# Altium PCB STB_LightBoard.PcbDoc (part 23 of 31) (continued)
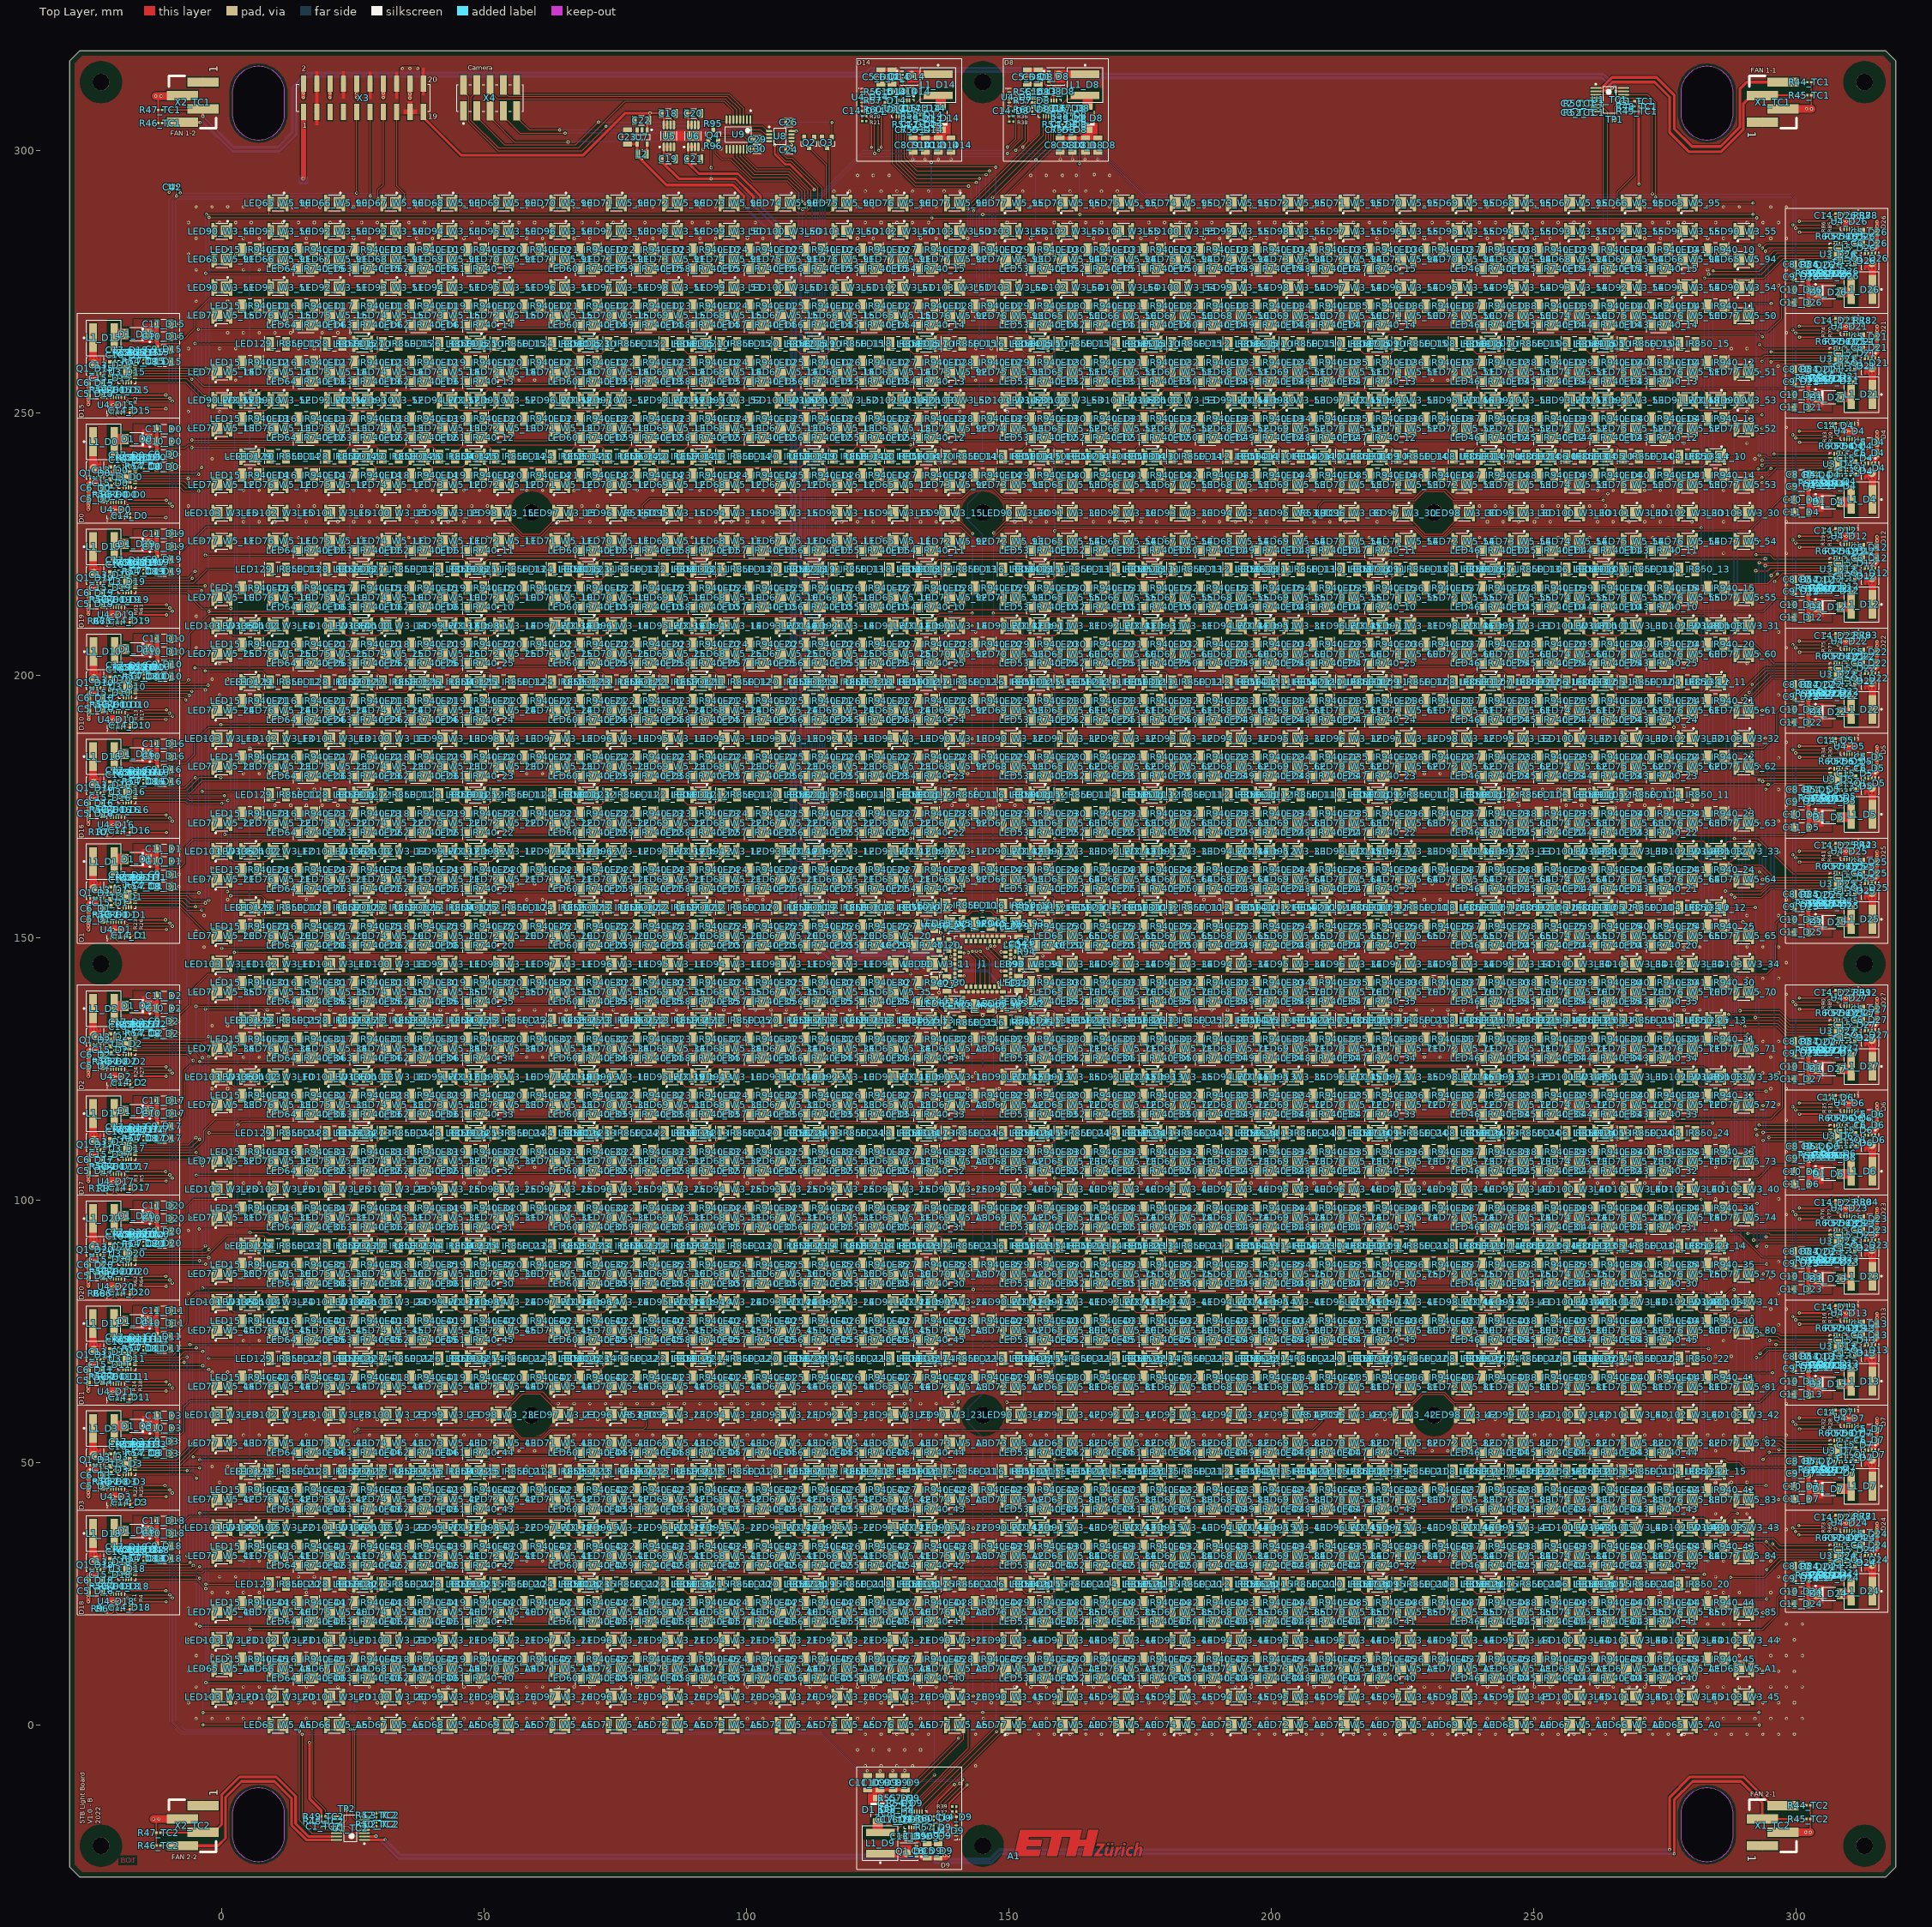
[diagram p0: Top Layer view]
## Nets (pads, with @x,y where several pads share a name; then routed paths per layer and width w, separated by ;. In a path a pad name is that pad's centre, name@x,y a point inside that pad or via, vN(x,y) a via of type N, cw(c..) or ccw(c..) an arc to the next point about the centre after c; other vN are vias at no path point) (continued)
NetLED69_W5_75_1: LED69_W5_75.1 LED70_W5_75.2 | length 9
  Top Layer w0.2: LED69_W5_75.1@204.714,85.92 LED69_W5_75.1@205.779,85.92 LED70_W5_75.2@213.12,85.92 LED70_W5_75.2@213.71,85.92
NetLED69_W5_80_1: LED69_W5_80.1 LED70_W5_80.2 | length 9
  Top Layer w0.2: LED69_W5_80.1@204.714,75.18 LED69_W5_80.1@205.779,75.18 LED70_W5_80.2@213.12,75.18 LED70_W5_80.2@213.71,75.18
NetLED69_W5_81_1: LED69_W5_81.1 LED70_W5_81.2 | length 9
  Top Layer w0.2: LED69_W5_81.1@204.714,64.44 LED69_W5_81.1@205.779,64.44 LED70_W5_81.2@213.12,64.44 LED70_W5_81.2@213.71,64.44
NetLED69_W5_82_1: LED69_W5_82.1 LED70_W5_82.2 | length 9
  Top Layer w0.2: LED69_W5_82.1@204.714,53.7 LED69_W5_82.1@205.779,53.7 LED70_W5_82.2@213.12,53.7 LED70_W5_82.2@213.71,53.7
NetLED69_W5_83_1: LED69_W5_83.1 LED70_W5_83.2 | length 9
  Top Layer w0.2: LED69_W5_83.1@204.714,42.96 LED69_W5_83.1@205.779,42.96 LED70_W5_83.2@213.12,42.96 LED70_W5_83.2@213.71,42.96
NetLED69_W5_84_1: LED69_W5_84.1 LED70_W5_84.2 | length 9
  Top Layer w0.2: LED69_W5_84.1@204.714,32.22 LED69_W5_84.1@205.779,32.22 LED70_W5_84.2@213.12,32.22 LED70_W5_84.2@213.71,32.22
NetLED69_W5_85_1: LED69_W5_85.1 LED70_W5_85.2 | length 9
  Top Layer w0.2: LED69_W5_85.1@204.714,21.48 LED69_W5_85.1@205.779,21.48 LED70_W5_85.2@213.12,21.48 LED70_W5_85.2@213.71,21.48
NetLED69_W5_90_1: LED69_W5_90.1 LED70_W5_90.2 | length 9
  Top Layer w0.2: LED69_W5_90.1@54.365,289.98 54.955,289.98 62.296,289.98 LED70_W5_90.2@63.361,289.98
NetLED69_W5_91_1: LED69_W5_91.1 LED70_W5_91.2 | length 9
  Top Layer w0.2: LED69_W5_91.1@43.599,279.24 LED69_W5_91.1@44.664,279.24 LED70_W5_91.2@52.005,279.24 LED70_W5_91.2@52.595,279.24
NetLED69_W5_92_1: LED69_W5_92.1 LED70_W5_92.2 | length 15.2
  Top Layer w0.2: v1(137.319,193.32) LED69_W5_92.1@137.933,193.32 LED69_W5_92.1@138.523,193.32 ; LED70_W5_92.2@140.743,204.06 LED70_W5_92.2@141.333,204.06 v1(142.019,204.06)
  Bottom Layer w0.2: v1(137.319,193.32) 137.319,199.36 v1(142.019,204.06)
NetLED69_W5_93_1: LED69_W5_93.1 LED70_W5_93.2 | length 15.6
  Top Layer w0.2: v1(148.06,204.06) LED70_W5_93.2@148.674,204.06 LED70_W5_93.2@149.264,204.06 ; LED69_W5_93.1@151.009,193.32 LED69_W5_93.1@152.074,193.32 v1(152.76,193.32)
  Bottom Layer w0.2: v1(148.06,204.06) 152.76,199.36 v1(152.76,193.32)
NetLED69_W5_94_1: LED69_W5_94.1 LED70_W5_94.2 | length 7.9
  Top Layer w0.2: LED70_W5_94.2@238.002,279.24 LED69_W5_94.1@245.343,279.24 LED69_W5_94.1@245.933,279.24
NetLED69_W5_95_1: LED69_W5_95.1 LED70_W5_95.2 | length 9
  Top Layer w0.2: LED70_W5_95.2@226.646,289.98 227.711,289.98 235.052,289.98 LED69_W5_95.1@235.642,289.98
NetLED69_W5_A0_1: LED69_W5_A0.1 LED70_W5_A0.2 | length 9
  Top Layer w0.2: LED70_W5_A0.2@226.646,0 227.711,0 235.052,0 LED69_W5_A0.1@235.642,0
NetLED69_W5_A1_1: LED69_W5_A1.1 LED70_W5_A1.2 | length 9
  Top Layer w0.2: LED70_W5_A1.2@237.387,10.74 238.452,10.74 245.793,10.74 LED69_W5_A1.1@246.383,10.74
NetLED69_W5_A2_1: LED69_W5_A2.1 LED70_W5_A2.2 | length 15.6
  Top Layer w0.2: v1(148.06,85.92) LED70_W5_A2.2@148.674,85.92 LED70_W5_A2.2@149.264,85.92 ; LED69_W5_A2.1@151.009,96.66 LED69_W5_A2.1@152.074,96.66 v1(152.76,96.66)
  Bottom Layer w0.2: v1(148.06,85.92) 152.76,90.62 v1(152.76,96.66)
NetLED69_W5_A3_1: LED69_W5_A3.1 LED70_W5_A3.2 | length 15.2
  Top Layer w0.2: v1(137.319,96.66) LED69_W5_A3.1@137.933,96.66 LED69_W5_A3.1@138.523,96.66 ; LED70_W5_A3.2@140.743,85.92 LED70_W5_A3.2@141.333,85.92 v1(142.019,85.92)
  Bottom Layer w0.2: v1(137.319,96.66) 137.319,90.62 v1(142.019,85.92)
NetLED69_W5_A4_1: LED69_W5_A4.1 LED70_W5_A4.2 | length 9
  Top Layer w0.2: LED69_W5_A4.1@43.624,10.74 44.214,10.74 51.555,10.74 LED70_W5_A4.2@52.62,10.74
NetLED69_W5_A5_1: LED69_W5_A5.1 LED70_W5_A5.2 | length 9
  Top Layer w0.2: LED69_W5_A5.1@54.34,0 LED69_W5_A5.1@55.405,0 LED70_W5_A5.2@62.746,0 LED70_W5_A5.2@63.336,0
NetLED70_W5_10_1: LED70_W5_10.1 LED71_W5_10.2 | length 8.4
  Top Layer w0.2: LED71_W5_10.2@66.146,214.825 LED70_W5_10.1@73.487,214.825 LED70_W5_10.1@74.552,214.825
NetLED70_W5_11_1: LED70_W5_11.1 LED71_W5_11.2 | length 8.4
  Top Layer w0.2: LED71_W5_11.2@66.146,225.565 LED70_W5_11.1@73.487,225.565 LED70_W5_11.1@74.552,225.565
NetLED70_W5_12_1: LED70_W5_12.1 LED71_W5_12.2 | length 8.4
  Top Layer w0.2: LED71_W5_12.2@66.146,236.305 LED70_W5_12.1@73.487,236.305 LED70_W5_12.1@74.552,236.305
NetLED70_W5_13_1: LED70_W5_13.1 LED71_W5_13.2 | length 8.4
  Top Layer w0.2: LED71_W5_13.2@66.146,247.045 LED70_W5_13.1@73.487,247.045 LED70_W5_13.1@74.552,247.045
NetLED70_W5_14_1: LED70_W5_14.1 LED71_W5_14.2 | length 8.4
  Top Layer w0.2: LED71_W5_14.2@66.146,257.785 LED70_W5_14.1@73.487,257.785 LED70_W5_14.1@74.552,257.785
NetLED70_W5_15_1: LED70_W5_15.1 LED71_W5_15.2 | length 8.4
  Top Layer w0.2: LED71_W5_15.2@66.146,268.525 LED70_W5_15.1@73.487,268.525 LED70_W5_15.1@74.552,268.525
NetLED70_W5_20_1: LED70_W5_20.1 LED71_W5_20.2 | length 8.4
  Top Layer w0.2: LED71_W5_20.2@66.146,150.385 LED70_W5_20.1@73.487,150.385 LED70_W5_20.1@74.552,150.385
NetLED70_W5_21_1: LED70_W5_21.1 LED71_W5_21.2 | length 8.4
  Top Layer w0.2: LED71_W5_21.2@66.146,161.125 LED70_W5_21.1@73.487,161.125 LED70_W5_21.1@74.552,161.125
NetLED70_W5_22_1: LED70_W5_22.1 LED71_W5_22.2 | length 8.4
  Top Layer w0.2: LED71_W5_22.2@66.146,171.865 LED70_W5_22.1@73.487,171.865 LED70_W5_22.1@74.552,171.865
NetLED70_W5_23_1: LED70_W5_23.1 LED71_W5_23.2 | length 8.4
  Top Layer w0.2: LED71_W5_23.2@66.146,182.605 LED70_W5_23.1@73.487,182.605 LED70_W5_23.1@74.552,182.605
NetLED70_W5_24_1: LED70_W5_24.1 LED71_W5_24.2 | length 8.4
  Top Layer w0.2: LED71_W5_24.2@66.146,193.345 LED70_W5_24.1@73.487,193.345 LED70_W5_24.1@74.552,193.345
NetLED70_W5_25_1: LED70_W5_25.1 LED71_W5_25.2 | length 8.4
  Top Layer w0.2: LED71_W5_25.2@66.146,204.085 LED70_W5_25.1@73.487,204.085 LED70_W5_25.1@74.552,204.085
NetLED70_W5_30_1: LED70_W5_30.1 LED71_W5_30.2 | length 8.4
  Top Layer w0.2: LED71_W5_30.2@66.146,85.945 LED70_W5_30.1@73.487,85.945 LED70_W5_30.1@74.552,85.945
NetLED70_W5_31_1: LED70_W5_31.1 LED71_W5_31.2 | length 8.4
  Top Layer w0.2: LED71_W5_31.2@66.146,96.685 LED70_W5_31.1@73.487,96.685 LED70_W5_31.1@74.552,96.685
NetLED70_W5_32_1: LED70_W5_32.1 LED71_W5_32.2 | length 8.4
  Top Layer w0.2: LED71_W5_32.2@66.146,107.425 LED70_W5_32.1@73.487,107.425 LED70_W5_32.1@74.552,107.425
NetLED70_W5_33_1: LED70_W5_33.1 LED71_W5_33.2 | length 8.4
  Top Layer w0.2: LED71_W5_33.2@66.146,118.165 LED70_W5_33.1@73.487,118.165 LED70_W5_33.1@74.552,118.165
NetLED70_W5_34_1: LED70_W5_34.1 LED71_W5_34.2 | length 8.4
  Top Layer w0.2: LED71_W5_34.2@66.146,128.905 LED70_W5_34.1@73.487,128.905 LED70_W5_34.1@74.552,128.905
NetLED70_W5_35_1: LED70_W5_35.1 LED71_W5_35.2 | length 8.4
  Top Layer w0.2: LED71_W5_35.2@66.146,139.645 LED70_W5_35.1@73.487,139.645 LED70_W5_35.1@74.552,139.645
NetLED70_W5_40_1: LED70_W5_40.1 LED71_W5_40.2 | length 8.4
  Top Layer w0.2: LED71_W5_40.2@66.146,21.505 LED70_W5_40.1@73.487,21.505 LED70_W5_40.1@74.552,21.505
NetLED70_W5_41_1: LED70_W5_41.1 LED71_W5_41.2 | length 8.4
  Top Layer w0.2: LED71_W5_41.2@66.146,32.245 LED70_W5_41.1@73.487,32.245 LED70_W5_41.1@74.552,32.245
NetLED70_W5_42_1: LED70_W5_42.1 LED71_W5_42.2 | length 8.4
  Top Layer w0.2: LED71_W5_42.2@66.146,42.985 LED70_W5_42.1@73.487,42.985 LED70_W5_42.1@74.552,42.985
NetLED70_W5_43_1: LED70_W5_43.1 LED71_W5_43.2 | length 8.4
  Top Layer w0.2: LED71_W5_43.2@66.146,53.725 LED70_W5_43.1@73.487,53.725 LED70_W5_43.1@74.552,53.725
NetLED70_W5_44_1: LED70_W5_44.1 LED71_W5_44.2 | length 8.4
  Top Layer w0.2: LED71_W5_44.2@66.146,64.465 LED70_W5_44.1@73.487,64.465 LED70_W5_44.1@74.552,64.465
NetLED70_W5_45_1: LED70_W5_45.1 LED71_W5_45.2 | length 8.4
  Top Layer w0.2: LED71_W5_45.2@66.146,75.205 LED70_W5_45.1@73.487,75.205 LED70_W5_45.1@74.552,75.205
NetLED70_W5_50_1: LED70_W5_50.1 LED71_W5_50.2 | length 9
  Top Layer w0.2: LED70_W5_50.1@215.455,268.5 LED70_W5_50.1@216.52,268.5 LED71_W5_50.2@223.861,268.5 LED71_W5_50.2@224.451,268.5
NetLED70_W5_51_1: LED70_W5_51.1 LED71_W5_51.2 | length 9
  Top Layer w0.2: LED70_W5_51.1@215.455,257.76 LED70_W5_51.1@216.52,257.76 LED71_W5_51.2@223.861,257.76 LED71_W5_51.2@224.451,257.76
NetLED70_W5_52_1: LED70_W5_52.1 LED71_W5_52.2 | length 9
  Top Layer w0.2: LED70_W5_52.1@215.455,247.02 LED70_W5_52.1@216.52,247.02 LED71_W5_52.2@223.861,247.02 LED71_W5_52.2@224.451,247.02
NetLED70_W5_53_1: LED70_W5_53.1 LED71_W5_53.2 | length 9
  Top Layer w0.2: LED70_W5_53.1@215.455,236.28 LED70_W5_53.1@216.52,236.28 LED71_W5_53.2@223.861,236.28 LED71_W5_53.2@224.451,236.28
NetLED70_W5_54_1: LED70_W5_54.1 LED71_W5_54.2 | length 9
  Top Layer w0.2: LED70_W5_54.1@215.455,225.54 LED70_W5_54.1@216.52,225.54 LED71_W5_54.2@223.861,225.54 LED71_W5_54.2@224.451,225.54
NetLED70_W5_55_1: LED70_W5_55.1 LED71_W5_55.2 | length 9
  Top Layer w0.2: LED70_W5_55.1@215.455,214.8 LED70_W5_55.1@216.52,214.8 LED71_W5_55.2@223.861,214.8 LED71_W5_55.2@224.451,214.8
NetLED70_W5_60_1: LED70_W5_60.1 LED71_W5_60.2 | length 9
  Top Layer w0.2: LED70_W5_60.1@215.455,204.06 LED70_W5_60.1@216.52,204.06 LED71_W5_60.2@223.861,204.06 LED71_W5_60.2@224.451,204.06
NetLED70_W5_61_1: LED70_W5_61.1 LED71_W5_61.2 | length 9
  Top Layer w0.2: LED70_W5_61.1@215.455,193.32 LED70_W5_61.1@216.52,193.32 LED71_W5_61.2@223.861,193.32 LED71_W5_61.2@224.451,193.32
NetLED70_W5_62_1: LED70_W5_62.1 LED71_W5_62.2 | length 9
  Top Layer w0.2: LED70_W5_62.1@215.455,182.58 LED70_W5_62.1@216.52,182.58 LED71_W5_62.2@223.861,182.58 LED71_W5_62.2@224.451,182.58
NetLED70_W5_63_1: LED70_W5_63.1 LED71_W5_63.2 | length 9
  Top Layer w0.2: LED70_W5_63.1@215.455,171.84 LED70_W5_63.1@216.52,171.84 LED71_W5_63.2@223.861,171.84 LED71_W5_63.2@224.451,171.84
NetLED70_W5_64_1: LED70_W5_64.1 LED71_W5_64.2 | length 9
  Top Layer w0.2: LED70_W5_64.1@215.455,161.1 LED70_W5_64.1@216.52,161.1 LED71_W5_64.2@223.861,161.1 LED71_W5_64.2@224.451,161.1
NetLED70_W5_65_1: LED70_W5_65.1 LED71_W5_65.2 | length 9
  Top Layer w0.2: LED70_W5_65.1@215.455,150.36 LED70_W5_65.1@216.52,150.36 LED71_W5_65.2@223.861,150.36 LED71_W5_65.2@224.451,150.36
NetLED70_W5_70_1: LED70_W5_70.1 LED71_W5_70.2 | length 9
  Top Layer w0.2: LED70_W5_70.1@215.455,139.62 LED70_W5_70.1@216.52,139.62 LED71_W5_70.2@223.861,139.62 LED71_W5_70.2@224.451,139.62
NetLED70_W5_71_1: LED70_W5_71.1 LED71_W5_71.2 | length 9
  Top Layer w0.2: LED70_W5_71.1@215.455,128.88 LED70_W5_71.1@216.52,128.88 LED71_W5_71.2@223.861,128.88 LED71_W5_71.2@224.451,128.88
NetLED70_W5_72_1: LED70_W5_72.1 LED71_W5_72.2 | length 9
  Top Layer w0.2: LED70_W5_72.1@215.455,118.14 LED70_W5_72.1@216.52,118.14 LED71_W5_72.2@223.861,118.14 LED71_W5_72.2@224.451,118.14
NetLED70_W5_73_1: LED70_W5_73.1 LED71_W5_73.2 | length 9
  Top Layer w0.2: LED70_W5_73.1@215.455,107.4 LED70_W5_73.1@216.52,107.4 LED71_W5_73.2@223.861,107.4 LED71_W5_73.2@224.451,107.4
NetLED70_W5_74_1: LED70_W5_74.1 LED71_W5_74.2 | length 9
  Top Layer w0.2: LED70_W5_74.1@215.455,96.66 LED70_W5_74.1@216.52,96.66 LED71_W5_74.2@223.861,96.66 LED71_W5_74.2@224.451,96.66
NetLED70_W5_75_1: LED70_W5_75.1 LED71_W5_75.2 | length 9
  Top Layer w0.2: LED70_W5_75.1@215.455,85.92 LED70_W5_75.1@216.52,85.92 LED71_W5_75.2@223.861,85.92 LED71_W5_75.2@224.451,85.92
NetLED70_W5_80_1: LED70_W5_80.1 LED71_W5_80.2 | length 9
  Top Layer w0.2: LED70_W5_80.1@215.455,75.18 LED70_W5_80.1@216.52,75.18 LED71_W5_80.2@223.861,75.18 LED71_W5_80.2@224.451,75.18
NetLED70_W5_81_1: LED70_W5_81.1 LED71_W5_81.2 | length 9
  Top Layer w0.2: LED70_W5_81.1@215.455,64.44 LED70_W5_81.1@216.52,64.44 LED71_W5_81.2@223.861,64.44 LED71_W5_81.2@224.451,64.44
NetLED70_W5_82_1: LED70_W5_82.1 LED71_W5_82.2 | length 9
  Top Layer w0.2: LED70_W5_82.1@215.455,53.7 LED70_W5_82.1@216.52,53.7 LED71_W5_82.2@223.861,53.7 LED71_W5_82.2@224.451,53.7
NetLED70_W5_83_1: LED70_W5_83.1 LED71_W5_83.2 | length 9
  Top Layer w0.2: LED70_W5_83.1@215.455,42.96 LED70_W5_83.1@216.52,42.96 LED71_W5_83.2@223.861,42.96 LED71_W5_83.2@224.451,42.96
NetLED70_W5_84_1: LED70_W5_84.1 LED71_W5_84.2 | length 9
  Top Layer w0.2: LED70_W5_84.1@215.455,32.22 LED70_W5_84.1@216.52,32.22 LED71_W5_84.2@223.861,32.22 LED71_W5_84.2@224.451,32.22
NetLED70_W5_85_1: LED70_W5_85.1 LED71_W5_85.2 | length 9
  Top Layer w0.2: LED70_W5_85.1@215.455,21.48 LED70_W5_85.1@216.52,21.48 LED71_W5_85.2@223.861,21.48 LED71_W5_85.2@224.451,21.48
NetLED70_W5_90_1: LED70_W5_90.1 LED71_W5_90.2 | length 9
  Top Layer w0.2: LED70_W5_90.1@65.106,289.98 65.696,289.98 73.037,289.98 LED71_W5_90.2@74.102,289.98
NetLED70_W5_91_1: LED70_W5_91.1 LED71_W5_91.2 | length 9
  Top Layer w0.2: LED70_W5_91.1@54.34,279.24 LED70_W5_91.1@55.405,279.24 LED71_W5_91.2@62.746,279.24 LED71_W5_91.2@63.336,279.24
NetLED70_W5_92_1: LED70_W5_92.1 LED71_W5_92.2 | length 15.2
  Top Layer w0.2: v1(137.319,204.06) LED70_W5_92.1@137.933,204.06 LED70_W5_92.1@138.523,204.06 ; LED71_W5_92.2@140.743,214.8 LED71_W5_92.2@141.333,214.8 v1(142.019,214.8)
  Bottom Layer w0.2: v1(137.319,204.06) 137.319,210.1 v1(142.019,214.8)
NetLED70_W5_93_1: LED70_W5_93.1 LED71_W5_93.2 | length 15.6
  Top Layer w0.2: v1(148.1,214.8) LED71_W5_93.2@148.674,214.8 LED71_W5_93.2@149.264,214.8 ; LED70_W5_93.1@151.009,204.06 LED70_W5_93.1@152.074,204.06 v1(152.76,204.06)
  Bottom Layer w0.2: v1(148.1,214.8) 152.76,210.14 v1(152.76,204.06)
NetLED70_W5_94_1: LED70_W5_94.1 LED71_W5_94.2 | length 7.9
  Top Layer w0.2: LED71_W5_94.2@227.261,279.24 LED70_W5_94.1@234.602,279.24 LED70_W5_94.1@235.192,279.24
NetLED70_W5_95_1: LED70_W5_95.1 LED71_W5_95.2 | length 9
  Top Layer w0.2: LED71_W5_95.2@215.905,289.98 216.97,289.98 224.311,289.98 LED70_W5_95.1@224.901,289.98
NetLED70_W5_A0_1: LED70_W5_A0.1 LED71_W5_A0.2 | length 9
  Top Layer w0.2: LED71_W5_A0.2@215.905,0 216.97,0 224.311,0 LED70_W5_A0.1@224.901,0
NetLED70_W5_A1_1: LED70_W5_A1.1 LED71_W5_A1.2 | length 9
  Top Layer w0.2: LED71_W5_A1.2@226.646,10.74 227.711,10.74 235.052,10.74 LED70_W5_A1.1@235.642,10.74
NetLED70_W5_A2_1: LED70_W5_A2.1 LED71_W5_A2.2 | length 15.6
  Top Layer w0.2: v1(148.06,75.18) LED71_W5_A2.2@148.674,75.18 LED71_W5_A2.2@149.264,75.18 ; LED70_W5_A2.1@151.009,85.92 LED70_W5_A2.1@152.074,85.92 v1(152.76,85.92)
  Bottom Layer w0.2: v1(148.06,75.18) 152.76,79.88 v1(152.76,85.92)
NetLED70_W5_A3_1: LED70_W5_A3.1 LED71_W5_A3.2 | length 15.6
  Top Layer w0.2: v1(137.319,85.92) LED70_W5_A3.1@137.933,85.92 LED70_W5_A3.1@138.998,85.92 ; LED71_W5_A3.2@140.743,75.18 LED71_W5_A3.2@141.333,75.18 v1(142.019,75.18)
  Bottom Layer w0.2: v1(137.319,85.92) 137.319,79.88 v1(142.019,75.18)
NetLED70_W5_A4_1: LED70_W5_A4.1 LED71_W5_A4.2 | length 9
  Top Layer w0.2: LED70_W5_A4.1@54.365,10.74 54.955,10.74 62.296,10.74 LED71_W5_A4.2@63.361,10.74
NetLED70_W5_A5_1: LED70_W5_A5.1 LED71_W5_A5.2 | length 8.4
  Top Layer w0.2: LED70_W5_A5.1@65.081,0 LED70_W5_A5.1@66.146,0 LED71_W5_A5.2@73.487,0
NetLED71_W5_10_1: LED71_W5_10.1 LED72_W5_10.2 | length 8.4
  Top Layer w0.2: LED72_W5_10.2@55.405,214.825 LED71_W5_10.1@62.746,214.825 LED71_W5_10.1@63.811,214.825
NetLED71_W5_11_1: LED71_W5_11.1 LED72_W5_11.2 | length 8.4
  Top Layer w0.2: LED72_W5_11.2@55.405,225.565 LED71_W5_11.1@62.746,225.565 LED71_W5_11.1@63.811,225.565
NetLED71_W5_12_1: LED71_W5_12.1 LED72_W5_12.2 | length 8.4
  Top Layer w0.2: LED72_W5_12.2@55.405,236.305 LED71_W5_12.1@62.746,236.305 LED71_W5_12.1@63.811,236.305
NetLED71_W5_13_1: LED71_W5_13.1 LED72_W5_13.2 | length 8.4
  Top Layer w0.2: LED72_W5_13.2@55.405,247.045 LED71_W5_13.1@62.746,247.045 LED71_W5_13.1@63.811,247.045
NetLED71_W5_14_1: LED71_W5_14.1 LED72_W5_14.2 | length 8.4
  Top Layer w0.2: LED72_W5_14.2@55.405,257.785 LED71_W5_14.1@62.746,257.785 LED71_W5_14.1@63.811,257.785
NetLED71_W5_15_1: LED71_W5_15.1 LED72_W5_15.2 | length 8.4
  Top Layer w0.2: LED72_W5_15.2@55.405,268.525 LED71_W5_15.1@62.746,268.525 LED71_W5_15.1@63.811,268.525
NetLED71_W5_20_1: LED71_W5_20.1 LED72_W5_20.2 | length 8.4
  Top Layer w0.2: LED72_W5_20.2@55.405,150.385 LED71_W5_20.1@62.746,150.385 LED71_W5_20.1@63.811,150.385
NetLED71_W5_21_1: LED71_W5_21.1 LED72_W5_21.2 | length 8.4
  Top Layer w0.2: LED72_W5_21.2@55.405,161.125 LED71_W5_21.1@62.746,161.125 LED71_W5_21.1@63.811,161.125
NetLED71_W5_22_1: LED71_W5_22.1 LED72_W5_22.2 | length 8.4
  Top Layer w0.2: LED72_W5_22.2@55.405,171.865 LED71_W5_22.1@62.746,171.865 LED71_W5_22.1@63.811,171.865
NetLED71_W5_23_1: LED71_W5_23.1 LED72_W5_23.2 | length 8.4
  Top Layer w0.2: LED72_W5_23.2@55.405,182.605 LED71_W5_23.1@62.746,182.605 LED71_W5_23.1@63.811,182.605
NetLED71_W5_24_1: LED71_W5_24.1 LED72_W5_24.2 | length 8.4
  Top Layer w0.2: LED72_W5_24.2@55.405,193.345 LED71_W5_24.1@62.746,193.345 LED71_W5_24.1@63.811,193.345
NetLED71_W5_25_1: LED71_W5_25.1 LED72_W5_25.2 | length 8.4
  Top Layer w0.2: LED72_W5_25.2@55.405,204.085 LED71_W5_25.1@62.746,204.085 LED71_W5_25.1@63.811,204.085
NetLED71_W5_30_1: LED71_W5_30.1 LED72_W5_30.2 | length 8.4
  Top Layer w0.2: LED72_W5_30.2@55.405,85.945 LED71_W5_30.1@62.746,85.945 LED71_W5_30.1@63.811,85.945
NetLED71_W5_31_1: LED71_W5_31.1 LED72_W5_31.2 | length 8.4
  Top Layer w0.2: LED72_W5_31.2@55.405,96.685 LED71_W5_31.1@62.746,96.685 LED71_W5_31.1@63.811,96.685
NetLED71_W5_32_1: LED71_W5_32.1 LED72_W5_32.2 | length 8.4
  Top Layer w0.2: LED72_W5_32.2@55.405,107.425 LED71_W5_32.1@62.746,107.425 LED71_W5_32.1@63.811,107.425
NetLED71_W5_33_1: LED71_W5_33.1 LED72_W5_33.2 | length 8.4
  Top Layer w0.2: LED72_W5_33.2@55.405,118.165 LED71_W5_33.1@62.746,118.165 LED71_W5_33.1@63.811,118.165
NetLED71_W5_34_1: LED71_W5_34.1 LED72_W5_34.2 | length 8.4
  Top Layer w0.2: LED72_W5_34.2@55.405,128.905 LED71_W5_34.1@62.746,128.905 LED71_W5_34.1@63.811,128.905
NetLED71_W5_35_1: LED71_W5_35.1 LED72_W5_35.2 | length 8.4
  Top Layer w0.2: LED72_W5_35.2@55.405,139.645 LED71_W5_35.1@62.746,139.645 LED71_W5_35.1@63.811,139.645
NetLED71_W5_40_1: LED71_W5_40.1 LED72_W5_40.2 | length 8.4
  Top Layer w0.2: LED72_W5_40.2@55.405,21.505 LED71_W5_40.1@62.746,21.505 LED71_W5_40.1@63.811,21.505
NetLED71_W5_41_1: LED71_W5_41.1 LED72_W5_41.2 | length 8.4
  Top Layer w0.2: LED72_W5_41.2@55.405,32.245 LED71_W5_41.1@62.746,32.245 LED71_W5_41.1@63.811,32.245
NetLED71_W5_42_1: LED71_W5_42.1 LED72_W5_42.2 | length 8.4
  Top Layer w0.2: LED72_W5_42.2@55.405,42.985 LED71_W5_42.1@62.746,42.985 LED71_W5_42.1@63.811,42.985
NetLED71_W5_43_1: LED71_W5_43.1 LED72_W5_43.2 | length 8.4
  Top Layer w0.2: LED72_W5_43.2@55.405,53.725 LED71_W5_43.1@62.746,53.725 LED71_W5_43.1@63.811,53.725
NetLED71_W5_44_1: LED71_W5_44.1 LED72_W5_44.2 | length 8.4
  Top Layer w0.2: LED72_W5_44.2@55.405,64.465 LED71_W5_44.1@62.746,64.465 LED71_W5_44.1@63.811,64.465
NetLED71_W5_45_1: LED71_W5_45.1 LED72_W5_45.2 | length 8.4
  Top Layer w0.2: LED72_W5_45.2@55.405,75.205 LED71_W5_45.1@62.746,75.205 LED71_W5_45.1@63.811,75.205
NetLED71_W5_50_1: LED71_W5_50.1 LED72_W5_50.2 | length 8.8
  Top Layer w0.2: LED71_W5_50.1@226.196,268.5 LED71_W5_50.1@227.261,268.5 LED72_W5_50.2@234.402,268.5 ; LED72_W5_50.2@234.605,268.723 LED72_W5_50.2@234.605,268.703 ; LED72_W5_50.2@234.402,268.5 LED72_W5_50.2@234.605,268.703 ; LED72_W5_50.2@234.402,268.5 LED72_W5_50.2@234.605,268.703
NetLED71_W5_51_1: LED71_W5_51.1 LED72_W5_51.2 | length 8.8
  Top Layer w0.2: LED71_W5_51.1@226.196,257.76 LED71_W5_51.1@227.261,257.76 LED72_W5_51.2@234.402,257.76 ; LED72_W5_51.2@234.605,257.983 LED72_W5_51.2@234.605,257.963 ; LED72_W5_51.2@234.402,257.76 LED72_W5_51.2@234.605,257.963 ; LED72_W5_51.2@234.402,257.76 234.502,257.86 LED72_W5_51.2@234.605,257.963
NetLED71_W5_52_1: LED71_W5_52.1 LED72_W5_52.2 | length 8.8
  Top Layer w0.2: LED71_W5_52.1@226.196,247.02 LED71_W5_52.1@227.261,247.02 LED72_W5_52.2@234.402,247.02 ; LED72_W5_52.2@234.605,247.243 LED72_W5_52.2@234.605,247.223 ; LED72_W5_52.2@234.402,247.02 LED72_W5_52.2@234.605,247.223 ; LED72_W5_52.2@234.402,247.02 234.502,247.12 LED72_W5_52.2@234.605,247.223
NetLED71_W5_53_1: LED71_W5_53.1 LED72_W5_53.2 | length 8.8
  Top Layer w0.2: LED71_W5_53.1@226.196,236.28 LED71_W5_53.1@227.261,236.28 LED72_W5_53.2@234.402,236.28 ; LED72_W5_53.2@234.605,236.503 LED72_W5_53.2@234.605,236.483 ; LED72_W5_53.2@234.402,236.28 LED72_W5_53.2@234.605,236.483 ; LED72_W5_53.2@234.402,236.28 LED72_W5_53.2@234.605,236.483
NetLED71_W5_54_1: LED71_W5_54.1 LED72_W5_54.2 | length 8.8
  Top Layer w0.2: LED71_W5_54.1@226.196,225.54 LED71_W5_54.1@227.261,225.54 LED72_W5_54.2@234.402,225.54 ; LED72_W5_54.2@234.605,225.763 LED72_W5_54.2@234.605,225.743 ; LED72_W5_54.2@234.402,225.54 LED72_W5_54.2@234.605,225.743 ; LED72_W5_54.2@234.402,225.54 234.502,225.64 LED72_W5_54.2@234.605,225.743
NetLED71_W5_55_1: LED71_W5_55.1 LED72_W5_55.2 | length 8.8
  Top Layer w0.2: LED71_W5_55.1@226.196,214.8 LED71_W5_55.1@227.261,214.8 LED72_W5_55.2@234.402,214.8 ; LED72_W5_55.2@234.605,215.023 LED72_W5_55.2@234.605,215.003 ; LED72_W5_55.2@234.402,214.8 LED72_W5_55.2@234.605,215.003 ; LED72_W5_55.2@234.402,214.8 234.502,214.9 LED72_W5_55.2@234.605,215.003
NetLED71_W5_60_1: LED71_W5_60.1 LED72_W5_60.2 | length 8.8
  Top Layer w0.2: LED71_W5_60.1@226.196,204.06 LED71_W5_60.1@227.261,204.06 LED72_W5_60.2@234.402,204.06 ; LED72_W5_60.2@234.605,204.283 LED72_W5_60.2@234.605,204.263 ; LED72_W5_60.2@234.402,204.06 LED72_W5_60.2@234.605,204.263 ; LED72_W5_60.2@234.402,204.06 LED72_W5_60.2@234.605,204.263
NetLED71_W5_61_1: LED71_W5_61.1 LED72_W5_61.2 | length 8.8
  Top Layer w0.2: LED71_W5_61.1@226.196,193.32 LED71_W5_61.1@227.261,193.32 LED72_W5_61.2@234.402,193.32 ; LED72_W5_61.2@234.605,193.543 LED72_W5_61.2@234.605,193.523 ; LED72_W5_61.2@234.402,193.32 LED72_W5_61.2@234.605,193.523 ; LED72_W5_61.2@234.402,193.32 234.502,193.42 LED72_W5_61.2@234.605,193.523
NetLED71_W5_62_1: LED71_W5_62.1 LED72_W5_62.2 | length 8.8
  Top Layer w0.2: LED71_W5_62.1@226.196,182.58 LED71_W5_62.1@227.261,182.58 LED72_W5_62.2@234.402,182.58 ; LED72_W5_62.2@234.605,182.803 LED72_W5_62.2@234.605,182.783 ; LED72_W5_62.2@234.402,182.58 LED72_W5_62.2@234.605,182.783 ; LED72_W5_62.2@234.402,182.58 234.502,182.68 LED72_W5_62.2@234.605,182.783
NetLED71_W5_63_1: LED71_W5_63.1 LED72_W5_63.2 | length 8.8
  Top Layer w0.2: LED71_W5_63.1@226.196,171.84 LED71_W5_63.1@227.261,171.84 LED72_W5_63.2@234.402,171.84 ; LED72_W5_63.2@234.605,172.063 LED72_W5_63.2@234.605,172.043 ; LED72_W5_63.2@234.402,171.84 LED72_W5_63.2@234.605,172.043 ; LED72_W5_63.2@234.402,171.84 LED72_W5_63.2@234.605,172.043
NetLED71_W5_64_1: LED71_W5_64.1 LED72_W5_64.2 | length 8.8
  Top Layer w0.2: LED71_W5_64.1@226.196,161.1 LED71_W5_64.1@227.261,161.1 LED72_W5_64.2@234.402,161.1 ; LED72_W5_64.2@234.605,161.323 LED72_W5_64.2@234.605,161.303 ; LED72_W5_64.2@234.402,161.1 LED72_W5_64.2@234.605,161.303 ; LED72_W5_64.2@234.402,161.1 LED72_W5_64.2@234.605,161.303
NetLED71_W5_65_1: LED71_W5_65.1 LED72_W5_65.2 | length 8.8
  Top Layer w0.2: LED71_W5_65.1@226.196,150.36 LED71_W5_65.1@227.261,150.36 LED72_W5_65.2@234.402,150.36 ; LED72_W5_65.2@234.605,150.583 LED72_W5_65.2@234.605,150.563 ; LED72_W5_65.2@234.402,150.36 LED72_W5_65.2@234.605,150.563 ; LED72_W5_65.2@234.402,150.36 234.502,150.46 LED72_W5_65.2@234.605,150.563
NetLED71_W5_70_1: LED71_W5_70.1 LED72_W5_70.2 | length 8.8
  Top Layer w0.2: LED71_W5_70.1@226.196,139.62 LED71_W5_70.1@227.261,139.62 LED72_W5_70.2@234.402,139.62 ; LED72_W5_70.2@234.605,139.843 LED72_W5_70.2@234.605,139.823 ; LED72_W5_70.2@234.402,139.62 LED72_W5_70.2@234.605,139.823 ; LED72_W5_70.2@234.402,139.62 LED72_W5_70.2@234.605,139.823
NetLED71_W5_71_1: LED71_W5_71.1 LED72_W5_71.2 | length 8.8
  Top Layer w0.2: LED71_W5_71.1@226.196,128.88 LED71_W5_71.1@227.261,128.88 LED72_W5_71.2@234.402,128.88 ; LED72_W5_71.2@234.605,129.103 LED72_W5_71.2@234.605,129.083 ; LED72_W5_71.2@234.402,128.88 LED72_W5_71.2@234.605,129.083 ; LED72_W5_71.2@234.402,128.88 LED72_W5_71.2@234.605,129.083
NetLED71_W5_72_1: LED71_W5_72.1 LED72_W5_72.2 | length 8.8
  Top Layer w0.2: LED71_W5_72.1@226.196,118.14 LED71_W5_72.1@227.261,118.14 LED72_W5_72.2@234.402,118.14 ; LED72_W5_72.2@234.605,118.363 LED72_W5_72.2@234.605,118.343 ; LED72_W5_72.2@234.402,118.14 LED72_W5_72.2@234.605,118.343 ; LED72_W5_72.2@234.402,118.14 234.502,118.24 LED72_W5_72.2@234.605,118.343
NetLED71_W5_73_1: LED71_W5_73.1 LED72_W5_73.2 | length 8.8
  Top Layer w0.2: LED71_W5_73.1@226.196,107.4 LED71_W5_73.1@227.261,107.4 LED72_W5_73.2@234.402,107.4 ; LED72_W5_73.2@234.605,107.623 LED72_W5_73.2@234.605,107.603 ; LED72_W5_73.2@234.402,107.4 LED72_W5_73.2@234.605,107.603 ; LED72_W5_73.2@234.402,107.4 LED72_W5_73.2@234.605,107.603
NetLED71_W5_74_1: LED71_W5_74.1 LED72_W5_74.2 | length 8.8
  Top Layer w0.2: LED71_W5_74.1@226.196,96.66 LED71_W5_74.1@227.261,96.66 LED72_W5_74.2@234.402,96.66 ; LED72_W5_74.2@234.605,96.883 LED72_W5_74.2@234.605,96.863 ; LED72_W5_74.2@234.402,96.66 LED72_W5_74.2@234.605,96.863 ; LED72_W5_74.2@234.402,96.66 LED72_W5_74.2@234.605,96.863
NetLED71_W5_75_1: LED71_W5_75.1 LED72_W5_75.2 | length 8.8
  Top Layer w0.2: LED71_W5_75.1@226.196,85.92 LED71_W5_75.1@227.261,85.92 LED72_W5_75.2@234.402,85.92 ; LED72_W5_75.2@234.605,86.143 LED72_W5_75.2@234.605,86.123 ; LED72_W5_75.2@234.402,85.92 LED72_W5_75.2@234.605,86.123 ; LED72_W5_75.2@234.402,85.92 234.502,86.02 LED72_W5_75.2@234.605,86.123
NetLED71_W5_80_1: LED71_W5_80.1 LED72_W5_80.2 | length 8.8
  Top Layer w0.2: LED71_W5_80.1@226.196,75.18 LED71_W5_80.1@227.261,75.18 LED72_W5_80.2@234.402,75.18 ; LED72_W5_80.2@234.605,75.403 LED72_W5_80.2@234.605,75.383 ; LED72_W5_80.2@234.402,75.18 LED72_W5_80.2@234.605,75.383 ; LED72_W5_80.2@234.402,75.18 LED72_W5_80.2@234.605,75.383
NetLED71_W5_81_1: LED71_W5_81.1 LED72_W5_81.2 | length 8.8
  Top Layer w0.2: LED71_W5_81.1@226.196,64.44 LED71_W5_81.1@227.261,64.44 LED72_W5_81.2@234.402,64.44 ; LED72_W5_81.2@234.605,64.663 LED72_W5_81.2@234.605,64.643 ; LED72_W5_81.2@234.402,64.44 LED72_W5_81.2@234.605,64.643 ; LED72_W5_81.2@234.402,64.44 LED72_W5_81.2@234.605,64.643
NetLED71_W5_82_1: LED71_W5_82.1 LED72_W5_82.2 | length 8.8
  Top Layer w0.2: LED71_W5_82.1@226.196,53.7 LED71_W5_82.1@227.261,53.7 LED72_W5_82.2@234.402,53.7 ; LED72_W5_82.2@234.605,53.923 LED72_W5_82.2@234.605,53.903 ; LED72_W5_82.2@234.402,53.7 LED72_W5_82.2@234.605,53.903 ; LED72_W5_82.2@234.402,53.7 234.502,53.8 LED72_W5_82.2@234.605,53.903
NetLED71_W5_83_1: LED71_W5_83.1 LED72_W5_83.2 | length 8.8
  Top Layer w0.2: LED71_W5_83.1@226.196,42.96 LED71_W5_83.1@227.261,42.96 LED72_W5_83.2@234.402,42.96 ; LED72_W5_83.2@234.605,43.183 LED72_W5_83.2@234.605,43.163 ; LED72_W5_83.2@234.402,42.96 LED72_W5_83.2@234.605,43.163 ; LED72_W5_83.2@234.402,42.96 LED72_W5_83.2@234.605,43.163
NetLED71_W5_84_1: LED71_W5_84.1 LED72_W5_84.2 | length 8.8
  Top Layer w0.2: LED71_W5_84.1@226.196,32.22 LED71_W5_84.1@227.261,32.22 LED72_W5_84.2@234.402,32.22 ; LED72_W5_84.2@234.605,32.443 LED72_W5_84.2@234.605,32.423 ; LED72_W5_84.2@234.402,32.22 LED72_W5_84.2@234.605,32.423 ; LED72_W5_84.2@234.402,32.22 LED72_W5_84.2@234.605,32.423
NetLED71_W5_85_1: LED71_W5_85.1 LED72_W5_85.2 | length 8.8
  Top Layer w0.2: LED71_W5_85.1@226.196,21.48 LED71_W5_85.1@227.261,21.48 LED72_W5_85.2@234.402,21.48 ; LED72_W5_85.2@234.605,21.703 LED72_W5_85.2@234.605,21.683 ; LED72_W5_85.2@234.402,21.48 LED72_W5_85.2@234.605,21.683 ; LED72_W5_85.2@234.402,21.48 234.502,21.58 LED72_W5_85.2@234.605,21.683
NetLED71_W5_90_1: LED71_W5_90.1 LED72_W5_90.2 | length 9
  Top Layer w0.2: LED71_W5_90.1@75.847,289.98 76.437,289.98 83.778,289.98 LED72_W5_90.2@84.843,289.98
NetLED71_W5_91_1: LED71_W5_91.1 LED72_W5_91.2 | length 9
  Top Layer w0.2: LED71_W5_91.1@65.081,279.24 LED71_W5_91.1@66.146,279.24 LED72_W5_91.2@73.487,279.24 LED72_W5_91.2@74.077,279.24
NetLED71_W5_92_1: LED71_W5_92.1 LED72_W5_92.2 | length 15.2
  Top Layer w0.2: v1(137.319,214.8) LED71_W5_92.1@137.933,214.8 LED71_W5_92.1@138.523,214.8 ; LED72_W5_92.2@140.743,225.54 LED72_W5_92.2@141.333,225.54 v1(142.019,225.54)
  Bottom Layer w0.2: v1(137.319,214.8) 137.319,220.84 v1(142.019,225.54)
NetLED71_W5_93_1: LED71_W5_93.1 LED72_W5_93.2 | length 15
  Top Layer w0.2: v1(148.06,225.54) LED72_W5_93.2@148.674,225.54 ; LED71_W5_93.1@151.009,214.8 LED71_W5_93.1@152.074,214.8 v1(152.7,214.8)
  Bottom Layer w0.2: v1(148.06,225.54) 152.7,220.9 v1(152.7,214.8)
NetLED71_W5_94_1: LED71_W5_94.1 LED72_W5_94.2 | length 7.9
  Top Layer w0.2: LED72_W5_94.2@216.52,279.24 LED71_W5_94.1@223.861,279.24 LED71_W5_94.1@224.451,279.24
NetLED71_W5_95_1: LED71_W5_95.1 LED72_W5_95.2 | length 9
  Top Layer w0.2: LED72_W5_95.2@205.164,289.98 206.229,289.98 213.57,289.98 LED71_W5_95.1@214.16,289.98